# KiCad board Leonhart.kicad_pcb (continued)
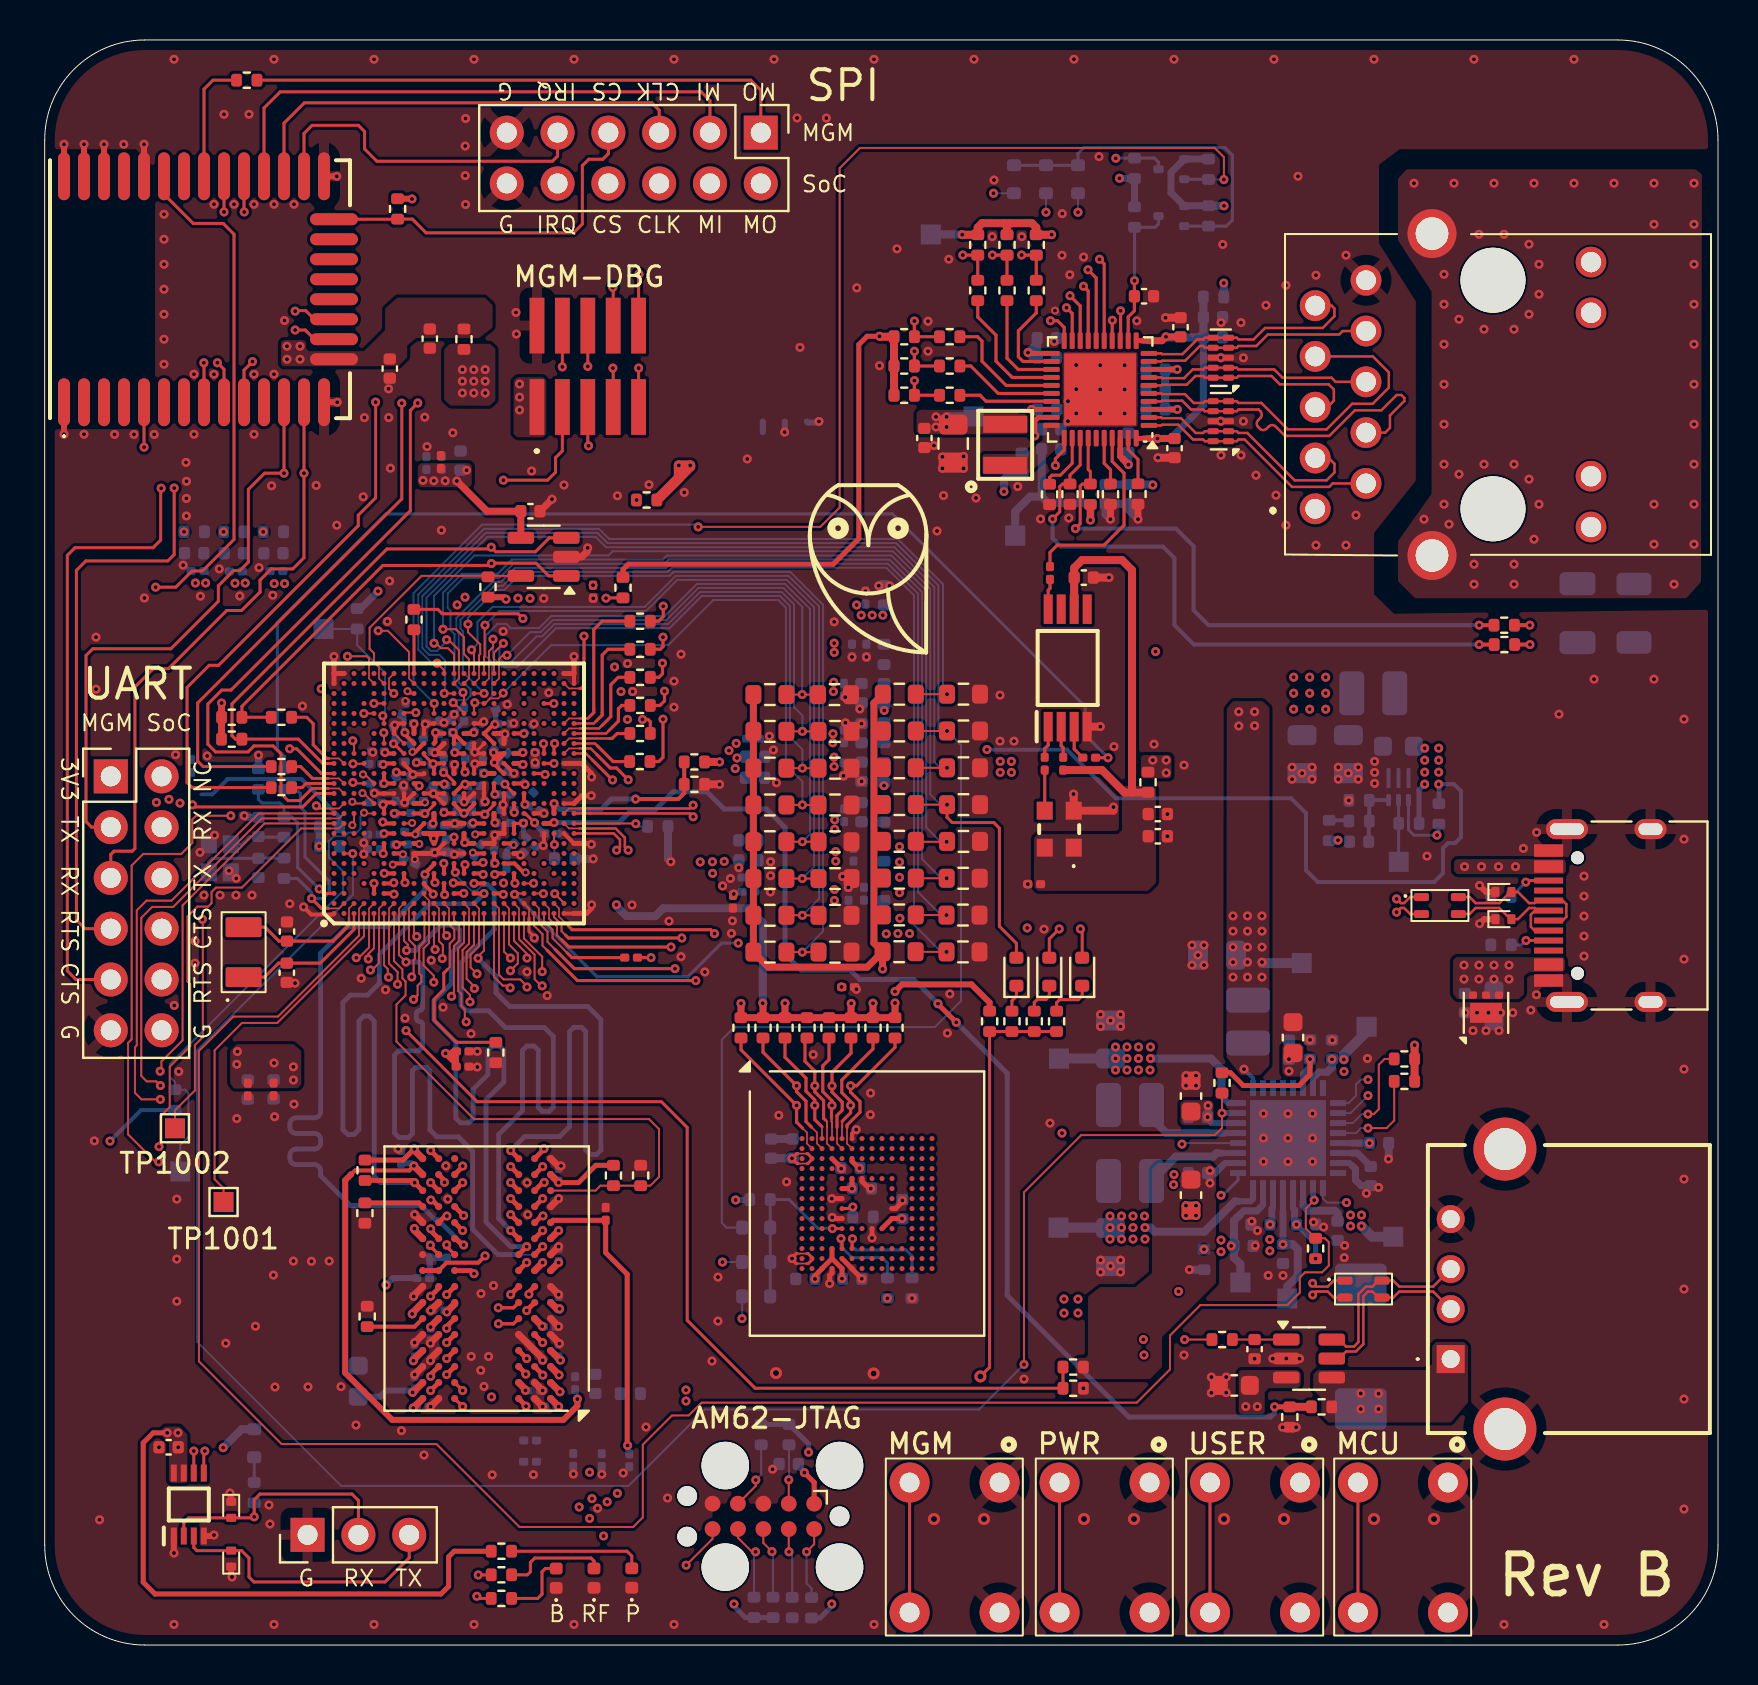
[diagram p0: board, top side]
## Routing (per net, layer and track width the routed paths; a pad name or vN(x,y) marks a point on that pad's centre or on a via; arc(x,y) is an arc through that point) (continued)
/Host System [1]/MCU_RESETSTATz: length 21.6
  Top w0.081: U1002.B12 14.71,41.84 14.28,41.84
  Top w0.1: TP1002.1 6.51,26.74 7.51,27.74 7.51,30.01 7.9,30.4 7.9,36.27 v1(7.88,36.29) ; 14.28,41.84 13.71,41.84 v1(13.58,41.97)
  In2.Cu w0.1: v1(13.58,41.97) 12.08,41.97 9.38,39.27 9.13,39.27 8.35,38.49 8.35,36.76 v1(7.88,36.29)
/Host System [1]/MCU_RESETZ: length 24.5
  Top w0.081: v2(15.97,41.62) 15.97,41.6 15.98,41.59 U1002.E11
  Bottom w0.1: TP1003.1 6.78,25.01 7.18,25.41 7.18,27.6 7.01,27.77 R1018.2 6.51,28.16 6.26,28.41 6.26,29.06 14.92,37.72 14.92,38.67 14.21,39.38 14.21,40.2 14.45,40.44 15,40.44 15.19,40.63 15.59,40.63 15.79,40.83 15.79,41.45 v2(15.97,41.62)
/Host System [1]/MGM_RESETn_SoC: length 2.2
  Top w0.15: R1048.2 18.46,50.77 U1002.J25
/Host System [1]/RESET_REQZ: length 7.1
  Top w0.1: v1(16.9,46.47) 16.92,46.47 16.96,46.42 U1002.F20
  Bottom w0.1: v1(16.9,46.47) 17.01,46.58 17.01,48.61 15.62,50 R1019.2 TP1004.1
/Host System [1]/SoC_CLK_BUF: length 1.7
  Top w0.157: U1001.3 51.47,44.8 R1021.1
/Host System [1]/SoC_CLKIN: length 57.8
  Top w0.157: R1021.2 53.16,44.37 v1(53.16,44.37)
  Bottom w0.157: v1(53.16,44.37) 52.03,45.51 52.03,46.93 42.39,56.57 17.06,56.57 11.63,51.13 11.63,44.8 11.99,44.43 11.99,43.81
/Host System [1]/SOC_EMU0: length 71.1
  Top w0.1: U1002.E12 16.46,42.09 15.94,42.6 v2(15.89,42.6) ; J1002.7 34.66,5.36 35.36,4.66 v1(35.54,4.66)
  In2.Cu w0.1: v2(15.89,42.6) 15.89,42.18 15.23,41.52 14.13,41.52 10.93,38.32 10.93,36.77 8.71,34.55 8.71,16.55 9.82,15.44 9.82,13.41 13.36,9.88 27.12,9.88 29.13,7.86 29.13,6.64 v1(27.94,5.45)
  In5.Cu w0.1: v1(35.54,4.66) 34.85,5.35 33.35,5.35 32.53,4.53 28.86,4.53 v1(27.94,5.45)
  Bottom w0.1: v1(35.54,4.66) 35.46,4.58 R1058.2
/Host System [1]/SOC_EMU1: length 79.6
  Top w0.1: v1(9.3,41.47) 7.57,41.47 7.38,41.28 7.38,40.11 6.83,39.56 4.93,39.56 4.35,38.98 4.35,30.29 4.17,30.11 4.17,25.54 5.54,24.16 v1(5.7,24.16) ; U1002.C11 15.46,41.12 15.4,41.06 15.4,41.02 v2(15.38,41) ; v1(38.09,4.66) 38.47,5.04 J1002.10
  In2.Cu w0.1: v1(5.7,24.16) 5.7,15.22 7.42,13.5 7.42,12.35 12.46,7.31 20.53,7.31 21.51,6.33 v1(27.24,6.33)
  In5.Cu w0.1: v1(38.09,4.66) 36.03,6.72 31.08,6.72 30.69,6.33 v1(27.24,6.33) ; v2(15.38,41) 15.38,41.08 15.37,41.09 9.68,41.09 v1(9.3,41.47)
  Bottom w0.1: v1(38.09,4.66) 38.09,3.08 38.34,2.83 R1056.2
/Host System [1]/SoC_SPI0_CLK: length 2.2
  Top w0.15: R1049.1 12.86,42.88 13.07,43.09 U1002.A14
/Host System [1]/SoC_SPI0_MOSI: length 3
  Top w0.081: U1002.B14 14.71,43.34 14.16,43.34
  Top w0.15: 14.16,43.34 13.39,43.34 12.79,43.93 R1051.1
/Host System [1]/SOC_TCK: length 70.3
  Top w0.1: v1(35.55,8.25) 35.55,7.96 J1002.4 ; v1(5.77,28.69) 5.83,28.76 5.83,29.18 6.89,30.24 6.89,36.99 10.99,41.09 U1002.A10
  In2.Cu w0.1: v1(5.77,28.69) 7.95,26.51 7.95,15.52 9.14,14.33 9.14,12.9 13.28,8.76 21.39,8.76 22.08,8.07 28.15,8.07 v1(28.63,7.59)
  In5.Cu w0.1: v1(28.63,7.59) 30.3,7.59 33.13,10.42 34.97,10.42 35.58,9.81 35.58,8.28 v1(35.55,8.25)
  Bottom w0.1: v1(35.55,8.25) 35.82,8.52 R1054.2
/Host System [1]/SOC_TDI: length 76.3
  Top w0.1: U1002.A11 10.7,41.59 6.34,37.22 5.09,37.22 4.6,36.74 4.6,29.99 4.51,29.9 4.51,27.62 4.84,27.29 v1(5.78,27.29) ; J1002.8 35.93,5.1 v1(36.36,4.67)
  In2.Cu w0.1: v1(27.36,7.32) 27.35,7.31 21.69,7.31 21.01,7.99 12.95,7.99 8.34,12.6 8.34,13.93 7.24,15.03 7.24,25.83 v1(5.78,27.29)
  In5.Cu w0.1: v1(27.36,7.32) 26.45,7.32 26.12,6.99 26.12,6.39 26.89,5.62 27.48,5.62 27.69,5.83 31.39,5.83 31.68,6.12 34.91,6.12 v1(36.36,4.67)
  Bottom w0.1: R1057.2 36.41,4.62 v1(36.36,4.67)
/Host System [1]/SOC_TDO: length 66.4
  Top w0.1: J1002.6 33.39,5.31 v1(32.07,3.99) ; v2(15.38,42.17) 15.41,42.14 15.42,42.14 15.47,42.09 U1002.D12
  In2.Cu w0.1: v2(15.38,42.17) 15.09,41.88 14.21,41.88 13.66,41.33 13.33,41.33 9.94,37.94 9.94,37.04 8.37,35.47 8.37,16.42 9.52,15.27 9.52,13.14 13.54,9.12 26.76,9.12 v1(27.24,8.64)
  In5.Cu w0.1: v1(27.24,8.64) 26.63,8.03 26.27,8.03 25.45,7.21 25.45,6.47 27.93,3.99 v1(32.07,3.99)
/Host System [1]/SOC_TMS: length 75.2
  Top w0.081: 14.28,41.34 14.71,41.34 U1002.B11
  Top w0.1: v1(5.78,27.98) 5.57,28.19 5.1,28.19 4.83,28.46 4.83,36.37 5.37,36.91 6.43,36.91 10.85,41.34 14.28,41.34 ; J1002.2 v1(37.2,8.26)
  In2.Cu w0.1: v1(5.78,27.98) 7.58,26.18 7.58,15.23 8.71,14.1 8.71,12.74 13.07,8.38 21.18,8.38 21.84,7.72 27.82,7.72 28.12,7.42 v1(28.12,7.16)
  In5.Cu w0.1: v1(28.12,7.16) 28.12,7.72 28.47,8.07 30.2,8.07 32.94,10.81 35.73,10.81 37.2,9.34 v1(37.2,8.26)
  Bottom w0.1: v1(37.2,8.26) 37.21,8.27 R1055.2
/Host System [1]/SOC_TRST#: length 72.5
  Top w0.081: U1002.B10 14.71,40.84 14.28,40.84
  Top w0.1: J1002.9 37.2,4.67 v1(37.21,4.66) ; 14.28,40.84 12.82,40.84 9.86,37.88 8.56,37.88 8.34,37.66 8.34,37.1 8.17,36.93 7.64,36.93 7.14,36.43 7.14,33.19 7.28,33.05 7.28,29.94 6.25,28.92 6.25,26.91 5.79,26.44 5.79,25 v1(5.72,24.92)
  In2.Cu w0.1: v1(26.72,6.9) 26.71,6.91 21.54,6.91 20.81,7.64 12.75,7.64 7.87,12.52 7.87,13.77 6.23,15.42 6.23,24.41 v1(5.72,24.92)
  In5.Cu w0.1: v1(26.72,6.9) 26.72,6.22 27.03,5.91 27.45,5.91 27.63,6.09 31.02,6.09 31.37,6.44 35.43,6.44 v1(37.21,4.66)
  Bottom w0.1: v1(37.21,4.66) 37.37,4.5 R1061.1
/Host System [1]/UART0_RXD: length 44.7
  Top w0.1: U1002.D14 15.47,43.09 15.42,43.14 v1(15.41,43.14)
  Top w0.15: v1(7.45,9.7) U1003.6
  In2.Cu w0.15: v1(15.41,43.14) 15.36,43.09 10.11,43.09 8.83,41.81 8.83,41.41 7.07,39.64 7.07,30.03 6.63,29.59 5.05,29.59 4.66,29.21 4.66,13.42 7.45,10.63 v1(7.45,9.7)
/Host System [1]/UART0_RXD_HEADER: length 13
  Top w0.15: U1003.2 6.95,6.12 7.19,6.36 10.42,6.36 v1(10.47,6.41) 10.47,7.26 10.76,7.55 15.36,7.55 15.68,7.23 15.68,5.51
  Bottom w0.15: R1059.2 v1(10.47,6.41)
/Host System [1]/UART0_RXD_PU: length 1.3
  Bottom w0.15: D1004.1 R1059.1
/Host System [1]/UART0_TXD: length 45.1
  Top w0.081: v2(15.92,43.54) 15.93,43.54 15.94,43.55 16.02,43.55 16.01,43.54 v2(15.92,43.54)
  Top w0.1: v2(15.92,43.54) 16.01,43.54 U1002.E14
  Top w0.15: v1(8,9.7) 7.95,9.65 U1003.5
  In2.Cu w0.081: v2(15.92,43.54) 15.92,43.11 15.53,42.73 15.24,42.73
  In2.Cu w0.15: 15.24,42.73 12.05,42.73 7.42,38.1 7.42,35.98 7.98,35.42 7.98,29.72 7.48,29.21 5.56,29.21 5.21,28.86 5.21,13.71 8,10.91 v1(8,9.7)
/Host System [1]/UART0_TXD_HEADER: length 14.3
  Top w0.15: U1003.3 7.45,4.88 7.61,4.72 D1005.2 9.84,4.72 10.21,4.35 10.21,3.4 10.46,3.15 17.02,3.15 18.22,4.36 J1003.3
/Host System [1]/WKUP_LFOSC0_XI: length 7.1
  Top w0.081: 15.21,36.4 15.21,36.84 U1002.C2
  Top w0.12: 15.13,35.92 15.21,36 15.21,36.4
  Top w0.157: 15.13,35.92 14.41,35.2 C1008.1 11.71,35.2 11.01,35.9 X1003.2
/Host System [1]/WKUP_LFOSC0_XO: length 7.3
  Top w0.12: U1002.C1 15.46,35.9
  Top w0.157: 15.46,35.9 15.46,35.79 13.78,34.1 C1007.1 11.69,34.1 10.99,33.4 X1003.1
/Memory [4]/DDR_A0: length 34.7
  Top w0.1: v1(18.6,35.43) 18.46,35.57 U1002.J1
  Top w0.24: U4001.P3 v1(23.3,23.12)
  In2.Cu w0.152: v1(18.6,35.43) 18.9,35.13 18.9,34.1 19.01,33.99 19.01,32.96 19.18,32.78 19.18,31.1 18.37,30.29 17.2,30.29 17.06,30.15 17.06,29.93 16.92,29.78 16.21,29.78 16.02,29.59 16.02,25.81 16.16,25.67 16.4,25.67 16.53,25.79 16.53,29.19 16.68,29.33 16.88,29.33 17.02,29.19 17.02,24.82 18.28,23.56 19.52,23.56 19.64,23.69 19.64,24.11 19.89,24.36 21.63,24.36 21.8,24.19 21.8,22.65 21.92,22.53 22.15,22.53 22.28,22.66 22.28,23.8 22.39,23.91 22.61,23.91 22.74,23.78 22.74,22.8 22.84,22.7 23.14,22.7 23.3,22.85 v1(23.3,23.12)
/Memory [4]/DDR_A1: length 34.7
  Top w0.081: 18.21,36.4 18.21,36.84 U1002.J2
  Top w0.1: 18.21,36.4 18.21,35.27 18.5,34.98 18.5,34.31 18.44,34.25 18.44,33.43 18.43,33.41 18.36,33.41 v1(18.35,33.41)
  Top w0.24: U4001.P7 v1(20.9,23.12)
  In2.Cu w0.152: v1(20.9,23.12) 20.48,22.7 19.99,22.7 19.71,22.42 19.71,22.09 19.47,21.85 19,21.85 18.87,21.98 16.54,21.98 14.01,24.51 14.01,32.2 arc(14.06,32.32) 14.17,32.36 16.28,32.36 arc(16.39,32.41) 16.44,32.52 16.44,32.6 arc(16.39,32.72) 16.28,32.76 14.17,32.76 arc(14.06,32.81) 14.01,32.92 14.01,33.38 15.48,34.84 16.47,34.84 16.67,34.64 16.67,33.9 16.78,33.79 17.04,33.79 17.16,33.91 17.16,34.74 17.27,34.85 17.54,34.85 17.66,34.73 17.66,33.59 17.84,33.41 v1(18.35,33.41)
/Memory [4]/DDR_A2: length 34.7
  Top w0.081: 19.21,36.4 19.21,37.24 18.96,37.49 U1002.K3
  Top w0.1: 19.21,36.4 19.21,35.11 18.94,34.84 18.94,33.98 19.45,33.48 v1(19.45,33.15)
  Top w0.24: U4001.R3 v1(23.3,23.93)
  In2.Cu w0.152: v1(19.45,33.15) 19.45,33.77 19.56,33.87 19.81,33.87 19.91,33.77 19.91,32.49 19.51,32.09 19.51,30.66 18.48,29.63 18.48,25.91 18.33,25.76 18.15,25.76 18.01,25.91 18.01,29.54 17.87,29.68 17.65,29.68 17.51,29.54 17.51,25.34 17.61,25.23 17.94,25.23 18.07,25.1 18.07,24.65 18.31,24.41 18.58,24.41 18.79,24.2 19.36,24.2 20.02,24.86 20.22,24.86 arc(20.33,24.9) 20.38,25.02 20.38,25.37 arc(20.43,25.49) 20.54,25.53 20.62,25.53 arc(20.73,25.49) 20.78,25.37 20.78,25.02 arc(20.83,24.9) 20.94,24.86 21.02,24.86 arc(21.13,24.9) 21.18,25.02 21.18,25.37 arc(21.23,25.49) 21.34,25.53 21.42,25.53 arc(21.53,25.49) 21.58,25.37 21.58,25.02 arc(21.63,24.9) 21.74,24.86 21.82,24.86 arc(21.93,24.9) 21.98,25.02 21.98,25.37 arc(22.03,25.49) 22.14,25.53 22.22,25.53 arc(22.33,25.49) 22.38,25.37 22.38,25.02 arc(22.43,24.9) 22.54,24.86 22.73,24.86 22.88,24.7 22.88,24.34 v1(23.3,23.93)
/Memory [4]/DDR_A3: length 34.7
  Top w0.2: v1(19.51,38.13) 19.46,38.18 U1002.L5
  Top w0.24: v1(20.95,21.48) U4001.N7
  In2.Cu w0.152: v1(19.51,38.13) 18.63,38.13 17.63,37.13 14.84,37.13 11.03,33.32 11.03,23.89 15.92,19.01 19.77,19.01 20.5,19.75 20.5,20.18 20.49,20.19 20.49,20.89 20.95,21.35 v1(20.95,21.48)
/Memory [4]/DDR_A4: length 34.7
  Top w0.2: U1002.K4 18.96,38.05 19.43,37.59 v1(19.43,37.55)
  Top w0.24: U4001.N3 v1(23.3,22.33)
  In2.Cu w0.152: v1(23.3,22.33) 23.01,22.03 20.93,22.03 20.52,21.62 20.52,21.29 20.11,20.88 20.11,20.62 19.69,20.2 19.69,19.83 19.45,19.59 16.3,19.59 12.01,23.87 12.01,33.45 15.07,36.51 17.26,36.51 17.53,36.78 17.79,36.78 18.56,37.55 v1(19.43,37.55)
/Memory [4]/DDR_A5: length 34.7
  Top w0.1: U1002.K1 18.98,36.56 18.98,35.19 18.72,34.93 18.72,33.59 18.83,33.48 18.83,33.17 18.64,32.98 18.64,32.48 v1(18.44,32.29)
  Top w0.24: U4001.P8 v1(19.3,23.12)
  In2.Cu w0.152: v1(19.3,23.12) 18.99,23.12 18.89,23.03 18.89,22.84 18.77,22.72 17.15,22.72 15.04,24.82 15.04,25.03 15.18,25.17 15.33,25.17 17.32,23.18 17.49,23.18 17.63,23.32 17.63,23.51 15.44,25.7 15.2,25.7 15.05,25.85 15.05,26.04 arc(15.1,26.15) 15.21,26.2 15.38,26.2 arc(15.5,26.25) 15.54,26.36 15.54,26.44 arc(15.5,26.55) 15.38,26.6 15.21,26.6 arc(15.1,26.65) 15.05,26.76 15.05,26.84 arc(15.1,26.95) 15.21,27 15.38,27 arc(15.5,27.05) 15.54,27.16 15.54,27.24 arc(15.5,27.35) 15.38,27.4 15.21,27.4 arc(15.1,27.45) 15.05,27.56 15.05,27.64 arc(15.1,27.75) 15.21,27.8 15.38,27.8 arc(15.5,27.85) 15.54,27.96 15.54,28.04 arc(15.5,28.15) 15.38,28.2 15.21,28.2 arc(15.1,28.25) 15.05,28.36 15.05,28.44 arc(15.1,28.55) 15.21,28.6 15.38,28.6 arc(15.5,28.65) 15.54,28.76 15.54,28.84 arc(15.5,28.95) 15.38,29 15.21,29 arc(15.1,29.05) 15.05,29.16 15.05,29.24 arc(15.1,29.35) 15.21,29.4 15.38,29.4 arc(15.5,29.45) 15.54,29.56 15.54,29.64 arc(15.5,29.75) 15.38,29.8 15.21,29.8 arc(15.1,29.85) 15.05,29.96 15.05,30.16 15.23,30.34 16.49,30.34 16.64,30.5 16.64,31.37 16.76,31.48 17.04,31.48 17.17,31.36 17.17,30.84 17.3,30.71 17.49,30.71 17.59,30.81 17.59,32.12 17.7,32.23 17.89,32.23 18,32.12 18,31.84 18.1,31.74 18.28,31.74 18.43,31.59 18.43,31.4 18.55,31.29 18.75,31.29 18.84,31.38 18.84,32.17 18.73,32.29 v1(18.44,32.29)
/Memory [4]/DDR_A6: length 34.7
  Top w0.081: 21.71,36.39 21.71,36.84 U1002.R2
  Top w0.1: v1(21.61,33.56) 21.29,33.89 21.29,34.53 21.71,34.95 21.71,36.39
  Top w0.24: v1(24.97,23.13) 24.91,23.13 U4001.P2
  In2.Cu w0.152: v1(21.61,33.56) 21.91,33.56 22.03,33.44 22.03,31.34 22.26,31.11 23.32,31.11 23.91,30.52 24.46,30.52 24.73,30.25 24.73,25.97 24.87,25.83 25.12,25.83 25.26,25.97 25.26,30.36 25.42,30.52 25.71,30.52 25.85,30.39 25.85,30.3 arc(25.89,30.19) 26.01,30.14 26.26,30.14 arc(26.38,30.09) 26.42,29.98 26.42,29.9 arc(26.38,29.79) 26.26,29.74 26.01,29.74 arc(25.89,29.69) 25.85,29.58 25.85,29.5 arc(25.89,29.39) 26.01,29.34 26.26,29.34 arc(26.38,29.29) 26.42,29.18 26.42,29.1 arc(26.38,28.99) 26.26,28.94 26.01,28.94 arc(25.89,28.89) 25.85,28.78 25.85,28.7 arc(25.89,28.59) 26.01,28.54 26.26,28.54 arc(26.38,28.49) 26.42,28.38 26.42,28.3 arc(26.38,28.19) 26.26,28.14 26.01,28.14 arc(25.89,28.09) 25.85,27.98 25.85,27.9 arc(25.89,27.79) 26.01,27.74 26.26,27.74 arc(26.38,27.69) 26.42,27.58 26.42,27.5 arc(26.38,27.39) 26.26,27.34 26.01,27.34 arc(25.89,27.29) 25.85,27.18 25.85,27.1 arc(25.89,26.99) 26.01,26.94 26.26,26.94 arc(26.38,26.89) 26.42,26.78 26.42,26.7 arc(26.38,26.59) 26.26,26.54 26.01,26.54 arc(25.89,26.49) 25.85,26.38 25.85,26.3 arc(25.89,26.19) 26.01,26.14 26.26,26.14 arc(26.38,26.09) 26.42,25.98 26.42,25.9 arc(26.38,25.79) 26.26,25.74 26.01,25.74 arc(25.89,25.69) 25.85,25.58 25.85,25.45 25.68,25.29 24.74,25.29 24.51,25.07 24.51,24.58 24.68,24.42 25.13,24.42 25.37,24.18 25.37,23.53 v1(24.97,23.13)
/Memory [4]/DDR_A7: length 34.7
  Top w0.081: 21.21,36.39 21.21,36.84 U1002.P2
  Top w0.1: 21.21,36.39 21.21,35.07 20.89,34.75 20.89,32.88 21.26,32.51 21.26,32.34 21.26,32.34 v1(21.26,32.17)
  Top w0.24: v1(19.99,23.14) 19.99,23.24 U4001.R8
  In2.Cu w0.152: v1(19.99,23.14) 19.57,22.72 19.2,22.72 19.14,22.66 19.14,22.66 18.9,22.42 18.9,22.42 18.82,22.34 16.89,22.34 14.54,24.68 14.54,30.54 14.84,30.84 15.79,30.84 15.92,30.97 15.92,31.19 15.78,31.33 14.79,31.33 14.67,31.45 14.67,31.73 14.78,31.84 16.7,31.84 17.49,32.63 18.17,32.63 18.75,33.21 18.75,33.62 18.52,33.84 18.52,34.87 18.18,35.21 18.18,35.67 18.35,35.84 19.03,35.84 20.32,34.54 20.32,33.11 v1(21.26,32.17)
/Memory [4]/DDR_A8: length 34.7
  Top w0.1: v1(21.08,31.16) 21,31.23 21,31.78 20.83,31.96 20.83,32.56 20.67,32.71 20.67,34.83 20.96,35.12 U1002.P1
  Top w0.24: U4001.R2 v1(24.9,23.93)
  In2.Cu w0.152: v1(24.9,23.93) 24.9,23.64 24.78,23.53 24.35,23.53 24.02,23.85 24.02,29.74 23.91,29.86 23.69,29.86 23.58,29.75 23.58,25.42 23.45,25.28 23.19,25.28 23.05,25.42 23.05,30.53 22.93,30.65 22.7,30.65 22.58,30.53 22.58,26.5 22.42,26.34 22.17,26.34 22.04,26.48 22.04,29.9 21.75,30.18 21.75,30.93 21.52,31.16 v1(21.08,31.16)
/Memory [4]/DDR_A9: length 34.7
  Top w0.2: U1002.P4 20.54,38.09 20.52,38.1 20.47,38.1 20.46,38.11 v1(20.43,38.11)
  Top w0.24: v1(20.9,23.95) 20.9,23.93 U4001.R7
  In2.Cu w0.102: 20.4,38.08 20.4,37.35
  In2.Cu w0.152: v1(20.9,23.95) 21.22,23.95 21.41,23.76 21.41,22.68 21.24,22.51 20.97,22.51 20.31,21.86 19.92,21.86 19.35,21.28 19.2,21.28 18.88,20.96 18.88,20.66 18.61,20.39 18.23,20.39 18.06,20.56 18.06,21.3 17.82,21.53 15.84,21.53 15.75,21.63 arc(15.7,21.74) 15.75,21.85 15.76,21.87 arc(15.81,21.98) 15.76,22.09 15.7,22.15 arc(15.59,22.2) 15.48,22.15 15.46,22.14 arc(15.35,22.09) 15.24,22.14 15.18,22.19 arc(15.13,22.31) 15.18,22.42 15.19,22.43 arc(15.24,22.54) 15.19,22.66 15.14,22.71 arc(15.02,22.76) 14.91,22.71 14.9,22.7 arc(14.79,22.65) 14.67,22.7 14.62,22.76 arc(14.57,22.87) 14.62,22.98 14.63,23 arc(14.68,23.11) 14.63,23.22 14.57,23.28 arc(14.46,23.33) 14.35,23.28 14.33,23.27 arc(14.22,23.22) 14.11,23.27 14.05,23.32 arc(14,23.44) 14.05,23.55 14.06,23.56 arc(14.11,23.68) 14.06,23.79 14.01,23.85 arc(13.89,23.89) 13.78,23.85 13.77,23.83 arc(13.65,23.79) 13.54,23.83 13.5,23.88 13.5,33.56 15.32,35.39 17.45,35.39 18.26,36.2 20.06,36.2 20.4,36.54 20.4,37.35 ; v1(20.43,38.11) 20.4,38.08
/Memory [4]/DDR_A10: length 34.7
  Top w0.2: U1002.R5 21.88,38.59 v1(21.92,38.54)
  Top w0.24: U4001.M3 v1(23.3,21.53)
  In2.Cu w0.152: v1(21.92,38.54) 22.37,38.09 22.37,37.48 22.72,37.13 23.45,37.13 23.97,36.62 23.97,35.3 24.76,34.51 26.28,34.51 28.49,32.29 28.49,19.7 27.43,18.64 24.01,18.64 23.52,19.13 23.52,19.77 22.49,20.8 21.78,20.8 21.61,20.98 21.61,21.35 21.78,21.53 v1(23.3,21.53)
/Memory [4]/DDR_A11: length 34.7
  Top w0.2: U1002.P5 20.96,38.96 21.01,39.01 v1(21.01,39.03)
  Top w0.24: v1(24.96,24.82) 24.93,24.79 24.93,24.76 U4001.T2
  In2.Cu w0.081: v1(21.01,39.03) 21.01,38.15 20.6,37.74 20.6,37.44 20.72,37.32 20.72,37.23
  In2.Cu w0.152: v1(24.96,24.82) 25.3,24.82 25.44,24.68 25.64,24.68 25.89,24.93 26.05,24.93 26.23,24.75 26.23,22.17 26.36,22.04 26.66,22.04 26.79,22.17 26.79,25.21 26.95,25.37 26.95,30.77 26.62,31.1 24.22,31.1 23.67,31.65 22.69,31.65 22.43,31.9 22.43,33.76 arc(22.4,33.84) 22.32,33.87 arc(22.25,33.91) 22.21,33.98 22.21,34.16 arc(22.25,34.24) 22.32,34.27 arc(22.4,34.31) 22.43,34.38 22.43,34.63 22.2,34.87 21.88,34.87 21.68,35.06 21.68,36.24 21.52,36.41 21.31,36.41 21.17,36.28 21.17,33.32 21.04,33.19 20.85,33.19 20.72,33.33 20.72,37.23
/Memory [4]/DDR_A12: length 34.7
  Top w0.2: v1(21.92,39.13) 21.87,39.09 U1002.R6
  Top w0.24: U4001.M7 v1(20.9,20.73)
  In2.Cu w0.081: 23.95,38.16 22.66,39.45 22.23,39.45 v1(21.92,39.13)
  In2.Cu w0.152: v1(20.9,20.73) 21.35,20.27 21.86,20.27 22.44,19.69 22.44,19.11 23.39,18.16 27.6,18.16 29.02,19.58 29.02,32.5 26.26,35.26 25.93,35.26 23.95,37.24 23.95,38.16
/Memory [4]/DDR_A13: length 34.7
  Top w0.1: v1(21.48,32.84) 21.48,32.93 21.09,33.32 21.09,34.65 21.46,35.02 U1002.R1
  Top w0.24: U4001.T8 v1(19.3,24.73)
  In2.Cu w0.152: v1(21.48,32.84) 21.67,32.65 21.67,32 21.43,31.76 20.43,31.76 19.96,31.3 19.96,30.41 18.97,29.42 18.97,25.54 19.12,25.4 19.28,25.4 19.41,25.53 19.41,29.14 19.49,29.22 19.71,29.22 19.84,29.09 19.84,26.83 19.95,26.72 20.17,26.72 20.31,26.86 20.31,29.22 20.46,29.37 20.46,30.67 20.58,30.79 20.77,30.79 20.92,30.65 20.92,29 20.78,28.87 20.78,28.55 arc(20.83,28.44) 20.94,28.39 21.3,28.39 arc(21.42,28.35) 21.46,28.23 21.46,28.15 arc(21.42,28.04) 21.3,27.99 20.94,27.99 arc(20.83,27.95) 20.78,27.83 20.78,27.75 arc(20.83,27.64) 20.94,27.59 21.3,27.59 arc(21.42,27.55) 21.46,27.43 21.46,27.35 arc(21.42,27.24) 21.3,27.19 20.94,27.19 arc(20.83,27.15) 20.78,27.03 20.78,26.33 20.59,26.14 20.03,26.14 19.85,25.95 19.85,25.28 v1(19.3,24.73)
/Memory [4]/DDR_A14_WEn: length 34.7
  Top w0.2: U1002.N3 20.95,37.59 v1(20.95,37.59)
  Top w0.24: U4001.L2 v1(24.9,20.73)
  In2.Cu w0.152: v1(24.9,20.73) 24.9,20.45 24.78,20.34 23.92,20.34 23.75,20.51 23.75,22.48 23.99,22.72 24.3,22.72 24.47,22.54 24.47,22.06 24.61,21.92 25.22,21.92 25.6,21.55 26.49,21.55 26.64,21.4 26.64,19.73 26.74,19.63 27.08,19.63 27.4,19.95 27.4,31.18 26.99,31.59 24.57,31.59 24.09,32.07 23.69,32.07 23.35,32.41 23.02,32.41 22.87,32.56 22.87,34.54 23.07,34.74 23.07,35.08 22.89,35.27 22.35,35.27 22.2,35.42 22.2,35.67 22.29,35.76 22.75,35.76 22.91,35.92 22.91,36.07 22.76,36.22 22.32,36.22 v1(20.95,37.59)
/Memory [4]/DDR_A15_CAS: length 34.7
  Top w0.2: U1002.M4 19.96,37.59 19.99,37.56 v1(19.99,37.52)
  Top w0.24: v1(20.11,21.45) 20.03,21.45 U4001.M8
  In2.Cu w0.152: v1(20.11,21.45) 19.72,21.06 19.72,20.66 19.46,20.41 19.11,20.41 18.69,19.99 16.65,19.99 16.51,20.14 16.51,20.4 16.63,20.53 17.42,20.53 17.53,20.63 17.53,20.94 17.43,21.04 15.57,21.04 12.94,23.67 12.94,24.35 arc(12.9,24.46) 12.78,24.51 12.69,24.51 arc(12.58,24.56) 12.53,24.67 12.53,24.75 arc(12.58,24.86) 12.69,24.91 12.78,24.91 arc(12.9,24.96) 12.94,25.07 12.94,25.15 arc(12.9,25.26) 12.78,25.31 12.69,25.31 arc(12.58,25.36) 12.53,25.47 12.53,25.55 arc(12.58,25.66) 12.69,25.71 12.78,25.71 arc(12.9,25.76) 12.94,25.87 12.94,25.95 arc(12.9,26.06) 12.78,26.11 12.69,26.11 arc(12.58,26.16) 12.53,26.27 12.53,26.35 arc(12.58,26.46) 12.69,26.51 12.78,26.51 arc(12.9,26.56) 12.94,26.67 12.94,29.54 arc(12.9,29.64) 12.79,29.69 arc(12.68,29.73) 12.64,29.84 12.64,29.94 arc(12.68,30.04) 12.79,30.09 arc(12.9,30.13) 12.94,30.24 12.94,30.34 arc(12.9,30.44) 12.79,30.49 arc(12.68,30.53) 12.64,30.64 12.64,30.74 arc(12.68,30.84) 12.79,30.89 arc(12.9,30.93) 12.94,31.04 12.94,31.14 arc(12.9,31.24) 12.79,31.29 arc(12.68,31.33) 12.64,31.44 12.64,31.54 arc(12.68,31.64) 12.79,31.69 arc(12.9,31.73) 12.94,31.84 12.94,31.94 arc(12.9,32.04) 12.79,32.09 arc(12.68,32.13) 12.64,32.24 12.64,32.34 arc(12.68,32.44) 12.79,32.49 arc(12.9,32.53) 12.94,32.64 12.94,33.71 15.18,35.94 17.33,35.94 17.77,36.38 17.93,36.38 18.62,37.07 19.54,37.07 v1(19.99,37.52)
/Memory [4]/DDR_A16_RAS: length 33.9
  Top w0.2: U1002.M5 19.96,39.08 v1(19.95,39.09)
  Top w0.24: v1(19.3,20.81) 19.3,20.73 U4001.L8
  In5.Cu w0.081: 20.45,37.58 19.95,38.08 v1(19.95,39.09)
  In5.Cu w0.152: 20.45,37.58 20.45,37.19 20.28,37.02 19.37,37.02 arc(19.26,36.97) 19.21,36.86 19.21,36.73 arc(19.16,36.61) 19.05,36.57 18.97,36.57 arc(18.86,36.61) 18.81,36.73 18.81,36.86 arc(18.76,36.97) 18.65,37.02 18.49,37.02 18.34,36.87 18.34,36.04 18.5,35.88 18.91,35.88 19.01,35.77 19.01,35.37 19.19,35.19 19.81,35.19 19.93,35.07 20.66,35.07 21.08,34.65 21.08,32.55 20.86,32.33 20.86,32 20.86,32 20.86,31.63 20.67,31.44 20.67,30.91 arc(20.63,30.8) 20.51,30.75 20.38,30.75 arc(20.27,30.7) 20.22,30.59 20.22,30.51 arc(20.27,30.4) 20.38,30.35 20.51,30.35 arc(20.63,30.3) 20.67,30.19 20.67,28.54 21.14,28.07 21.14,24.61 21.04,24.51 20.83,24.51 20.71,24.63 20.71,27.82 20.59,27.94 20.38,27.94 20.28,27.84 20.28,24.33 20.48,24.13 20.48,22.64 20.6,22.52 20.6,21.7 20.51,21.61 20.51,21.29 20.04,20.81 v1(19.3,20.81)
/Memory [4]/DDR_ACTn: length 33.4
  Top w0.2: v1(20.53,38.64) 20.46,38.71 U1002.N6
  Top w0.24: U4001.L3 v1(23.3,20.73)
  Bottom w0.081: 21.91,38.03 21.61,37.73 21.32,37.73 20.53,38.52 v1(20.53,38.64)
  Bottom w0.24: 21.91,38.03 22.15,38.03 22.48,37.7 22.48,35.79 20.81,34.13 20.81,31.98 21.08,31.72 22.2,31.72 23.03,30.88 24.99,30.88 25.43,30.44 25.43,26.89 25.22,26.69 24.87,26.69 24.68,26.89 24.68,29.75 24.47,29.96 24.11,29.96 23.88,29.73 23.88,26.72 22.7,25.53 22.7,21.33 v1(23.3,20.73)
/Memory [4]/DDR_ALERTn: length 37.4
  Top w0.2: U1002.R3 21.96,37.59 v1(21.96,37.58)
  Top w0.24: 18.89,22.73 v1(18.5,23.12) 18.39,23.23 R4005.1
  Bottom w0.24: v1(21.96,37.58) 21.46,37.07 19.27,37.07 16.73,34.54 16.73,33.1 16.14,32.5 15.29,32.5 14.91,32.13 14.91,25.78 15.15,25.53 15.46,25.53 15.71,25.77 15.71,31.2 15.95,31.45 16.23,31.45 16.48,31.2 16.48,23.44 16.79,23.12 v1(18.5,23.12)
/Memory [4]/DDR_BA0: length 33.9
  Top w0.1: v1(20.09,35.48) 20.04,35.53 19.98,35.53 19.96,35.55 U1002.M1
  Top w0.24: U4001.N2 v1(24.9,22.33)
  In5.Cu w0.152: v1(20.09,35.48) 21.11,35.48 22.07,34.51 22.07,33.32 21.89,33.14 21.89,32.52 21.72,32.35 21.72,30.35 21.21,29.84 21.21,28.71 21.64,28.28 21.64,24.95 21.76,24.83 22.12,24.83 22.26,24.69 22.26,24.1 arc(22.31,23.99) 22.42,23.94 22.74,23.94 arc(22.86,23.89) 22.9,23.78 22.9,23.7 arc(22.86,23.59) 22.74,23.54 22.42,23.54 arc(22.31,23.49) 22.26,23.38 22.26,23.3 arc(22.31,23.19) 22.42,23.14 22.74,23.14 arc(22.86,23.09) 22.9,22.98 22.9,22.9 arc(22.86,22.79) 22.74,22.74 22.42,22.74 arc(22.31,22.69) 22.26,22.58 22.26,22.5 arc(22.31,22.39) 22.42,22.34 22.74,22.34 arc(22.86,22.29) 22.9,22.18 22.9,22.1 arc(22.86,21.99) 22.74,21.94 22.42,21.94 arc(22.31,21.89) 22.26,21.78 22.26,21.7 arc(22.31,21.59) 22.42,21.54 22.74,21.54 arc(22.86,21.49) 22.9,21.38 22.9,21.3 arc(22.86,21.19) 22.74,21.14 22.42,21.14 arc(22.31,21.09) 22.26,20.98 22.26,20.6 22.99,19.87 23.42,19.87 23.71,20.16 23.71,20.4 arc(23.76,20.52) 23.87,20.56 24.24,20.56 arc(24.35,20.61) 24.4,20.72 24.4,20.8 arc(24.35,20.92) 24.24,20.96 23.87,20.96 arc(23.76,21.01) 23.71,21.12 23.71,24.62 23.84,24.75 24.27,24.75 24.39,24.63 24.39,23.86 24.53,23.72 24.53,22.43 24.64,22.33 v1(24.9,22.33)
/Memory [4]/DDR_BA1: length 33.9
  Top w0.1: v1(20.34,32.44) 20.37,32.44 20.46,32.53 20.46,34.96 20.72,35.22 20.72,35.98 20.46,36.24 U1002.N1
  Top w0.24: v1(19.31,22.25) 19.37,22.25 U4001.N8
  In5.Cu w0.152: v1(20.34,32.44) 20.34,31.75 19.58,30.99 19.58,29.47 19.83,29.22 19.83,25.27 19.71,25.14 19.46,25.14 19.35,25.26 19.35,29.01 19.24,29.11 19,29.11 18.89,29.01 18.89,25.33 18.77,25.21 18.54,25.21 18.42,25.33 18.42,29 18.3,29.12 18.05,29.12 17.93,29.01 17.93,25.13 18.07,24.99 18.07,24.39 17.96,24.28 17.96,22.91 18.15,22.72 19.18,22.72 19.31,22.59 v1(19.31,22.25)
/Memory [4]/DDR_BG0: length 34.7
  Top w0.2: U1002.T4 21.47,38.09 v1(21.46,38.09)
  Top w0.24: v1(24.91,21.46) 24.84,21.46 24.51,21.12 U4001.M2
  In2.Cu w0.152: v1(21.46,38.09) 21.46,37.51 21.94,37.04 22.25,37.04 22.6,36.69 23.19,36.69 23.53,36.35 23.53,34.75 23.71,34.57 23.71,32.67 23.92,32.46 24.52,32.46 24.93,32.05 25.44,32.05 25.59,32.19 25.59,33.81 25.7,33.93 25.96,33.93 26.08,33.81 26.08,32.17 26.2,32.05 26.42,32.05 26.55,32.18 26.55,32.92 26.68,33.05 26.9,33.05 27.03,32.91 27.03,32.19 27.17,32.05 27.63,32.05 27.95,31.72 27.95,19.81 27.29,19.15 26.48,19.15 26.18,19.45 26.18,20.87 25.9,21.15 25.22,21.15 v1(24.91,21.46)
/Memory [4]/DDR_CAL0: length 10
  Top w0.081: 20.21,36.39 20.21,36.84 U1002.M2
  Top w0.1: 20.13,33.78 20.25,33.9 20.25,35.08 20.48,35.31 20.48,35.78 20.21,36.04 20.21,36.39
  Top w0.152: 20.13,33.78 19.95,33.61 19.95,32.78 19.46,32.29 19.46,31.26 20.58,30.14 R4007.2
/Memory [4]/DDR_CKE: length 33.4
  Top w0.081: 17.71,36.4 17.71,36.84 U1002.H2
  Top w0.1: v1(18.06,34.16) 17.71,34.51 17.71,36.4
  Top w0.24: U4001.K2 v1(24.9,19.93)
  Bottom w0.081: v1(24.9,19.93) 24.49,19.52 23.77,19.52
  Bottom w0.24: 23.77,19.52 22.67,19.52 21.4,20.79 21.4,24.7 20.68,25.41 19.61,25.41 19.26,25.76 19.26,28.7 19.07,28.89 18.55,28.89 18.39,28.72 18.39,25.57 18.19,25.38 17.71,25.38 17.49,25.61 17.49,29.5 17.7,29.71 18.69,29.71 18.9,29.92 18.9,31.02 arc(18.85,31.14) 18.74,31.19 arc(18.62,31.23) 18.58,31.35 18.58,31.56 arc(18.62,31.68) 18.74,31.73 arc(18.85,31.77) 18.9,31.89 18.9,33.97 18.71,34.16 v1(18.06,34.16)
